# KiCad board shimarray.kicad_pcb (continued)
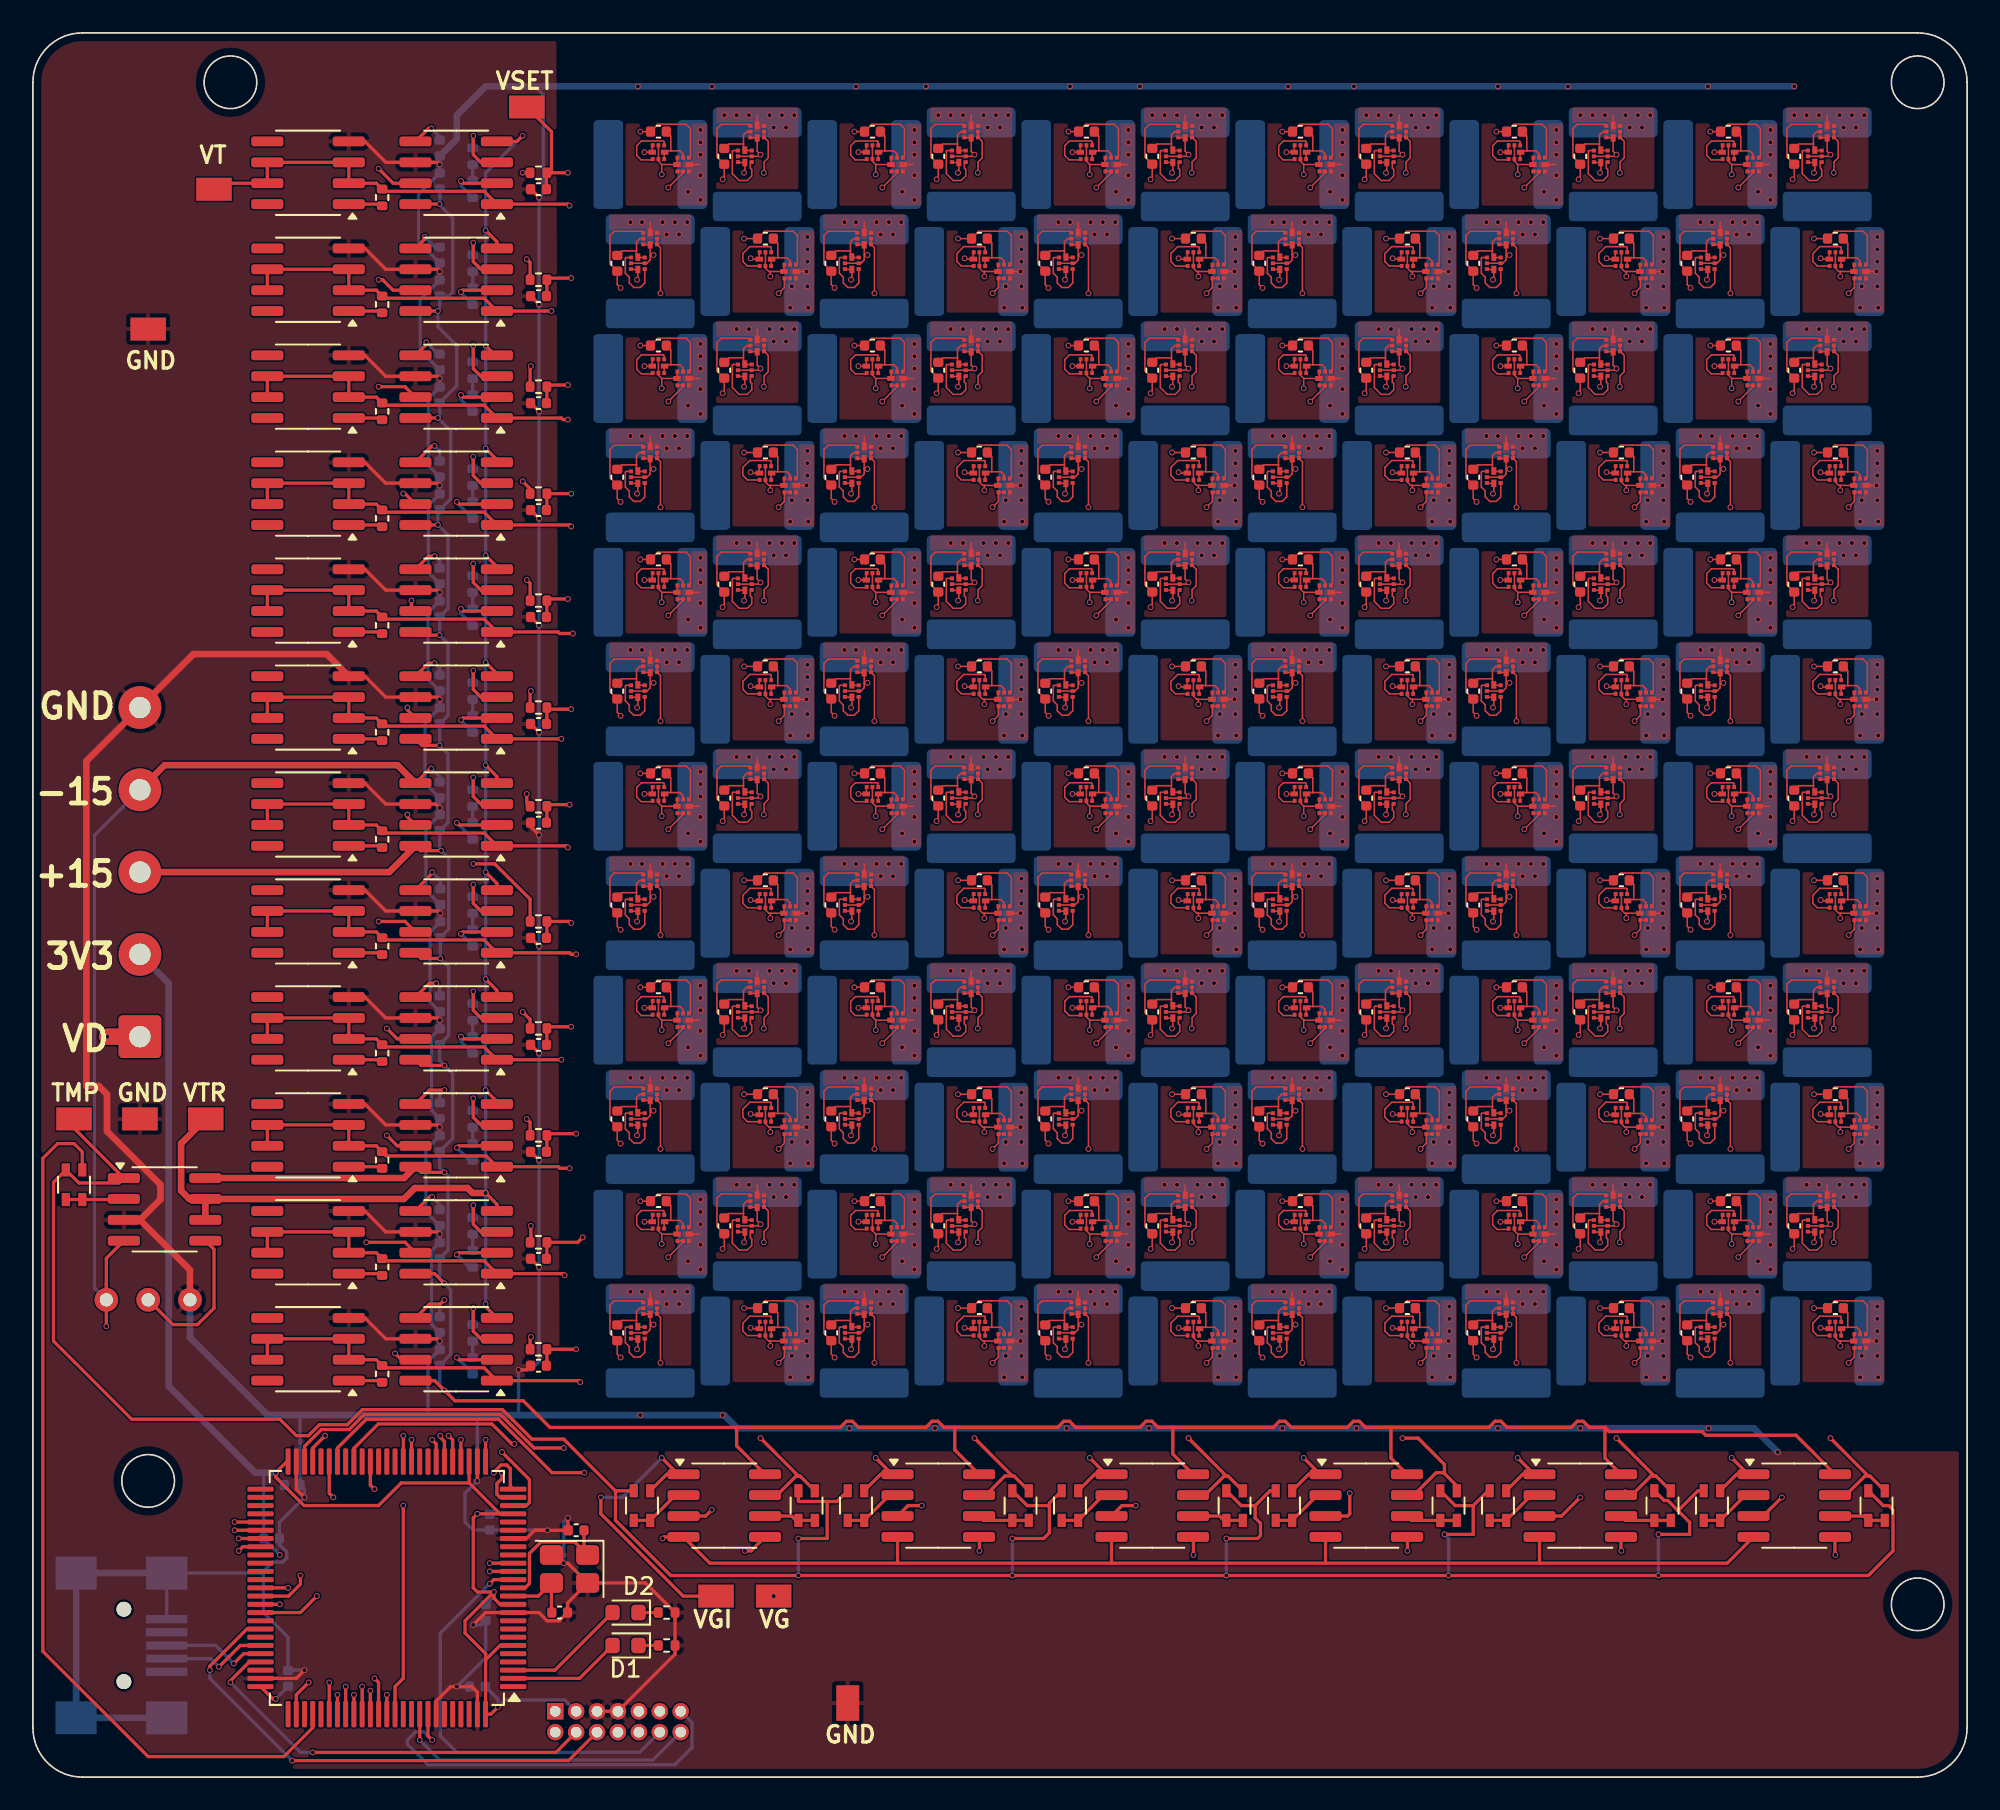
[diagram p0: board, top side]
## Routing (per net, layer and track width the routed paths; a pad name or vN(x,y) marks a point on that pad's centre or on a via; arc(x,y) is an arc through that point) (continued)
  Top w0.2: RN6.1 77.5,18.41 U5.1 78.19,18.41 v1(77.2,19.4)
  In2.Cu w0.09: v1(77.2,19.4) 77.2,24 76.4,24.8 76.4,27.2 v1(76.7,27.5) 76.7,31.8 77.2,32.3 v1(77.2,32.4) 77.2,37 76.4,37.8 76.4,40.2 v1(76.7,40.5) 76.7,44.8 77.2,45.3 v1(77.2,45.4) 77.2,50 76.4,50.8 76.4,53.2 v1(76.7,53.5) 76.7,57.8 77.2,58.3 v1(77.2,58.4) 77.2,63 76.4,63.8 76.4,66.2 v1(76.7,66.5) 76.7,70.8 77.2,71.3 v1(77.2,71.4) 77.2,76 76.4,76.8 76.4,79.2 v1(76.7,79.5) 76.7,83.8 77.2,84.3 v1(77.2,84.4) 77.2,89 76.4,89.8 76.4,92.2 v1(76.7,92.5) 76.7,96.8 77.2,97.3 v1(77.2,97.4)
/Element_4x15/Vg4_2: length 128.4
  Top w0.09: v1(83.8,65.2) 83.8,65.5 ; 83.8,65.5 Q124.8 ; 83.8,65.5 83.7,65.5 83.5,65.7 83.5,66.75 ; 83.8,52.5 83.7,52.5 83.5,52.7 83.5,53.75 ; 83.8,52.5 Q172.8 ; 83.8,52.5 v1(83.8,52.2) ; Q74.8 83,85.8 v1(83.2,85.6) 83.1,85.5 81.75,85.5 ; Q74.8 82.61,86.62 Q74.7 ; Q74.8 83,86.7 ; Q218.8 83,47.7 ; Q218.8 83,46.8 v1(83.2,46.6) 83.1,46.5 81.75,46.5 ; Q218.8 82.61,47.62 Q218.7 ; 83.8,91.5 Q26.8 ; 83.8,91.5 v1(83.8,91.2) ; 83.8,91.5 83.7,91.5 83.5,91.7 83.5,92.75 ; Q26.8 84.7,91.5 ; Q26.8 84.62,91.89 Q26.7 ; 83.8,39.5 Q220.8 ; 83.8,39.5 83.7,39.5 83.5,39.7 83.5,40.75 ; 83.8,39.5 v1(83.8,39.2) ; Q220.8 84.62,39.89 Q220.7 ; Q220.8 84.7,39.5 ; Q76.8 84.7,78.5 ; Q76.8 83.8,78.5 ; Q76.8 84.62,78.89 Q76.7 ; Q172.8 84.7,52.5 ; Q172.8 84.62,52.89 Q172.7 ; 83.8,78.5 83.7,78.5 83.5,78.7 83.5,79.75 ; 83.8,78.5 v1(83.8,78.2) ; Q122.7 82.61,73.62 Q122.8 ; Q122.8 83,72.8 v1(83.2,72.6) 83.1,72.5 81.75,72.5 ; Q122.8 83,73.7 ; Q124.8 84.62,65.89 Q124.7 ; Q124.8 84.7,65.5 ; Q170.7 82.61,60.62 Q170.8 ; Q266.7 82.61,34.62 Q266.8 ; Q266.8 83,33.8 v1(83.2,33.6) 83.1,33.5 81.75,33.5 ; Q266.8 83,34.7 ; Q24.8 83,98.8 v1(83.2,98.6) 83.1,98.5 81.75,98.5 ; Q24.8 83,99.7 ; Q24.8 82.61,99.62 Q24.7 ; Q170.8 83,59.8 v1(83.2,59.6) 83.1,59.5 81.75,59.5 ; Q170.8 83,60.7 ; Q268.8 84.7,26.5 ; Q268.8 83.8,26.5 ; Q268.8 84.62,26.89 Q268.7 ; 83.8,26.5 83.7,26.5 83.5,26.7 83.5,27.75 ; 83.8,26.5 v1(83.8,26.2)
  Top w0.2: U5.7 83.88,17.13 85.25,18.5 85.7,18.5 85.75,18.45 ; 85.75,18.45 85.75,19 84.15,20.6 v1(83.2,20.6) ; 85.75,18.45 86.5,17.7 RN7.1
  In2.Cu w0.09: v1(83.2,20.6) 83.2,25.6 v1(83.8,26.2) 83.8,27.1 82.7,28.2 82.7,33.1 v1(83.2,33.6) 83.2,38.6 v1(83.8,39.2) 83.8,40.1 82.7,41.2 82.7,46.1 v1(83.2,46.6) 83.2,51.6 v1(83.8,52.2) 83.8,53.1 82.7,54.2 82.7,59.1 v1(83.2,59.6) 83.2,64.6 v1(83.8,65.2) 83.8,66.1 82.7,67.2 82.7,72.1 v1(83.2,72.6) 83.2,77.6 v1(83.8,78.2) 83.8,79.1 82.7,80.2 82.7,85.1 v1(83.2,85.6) 83.2,90.6 v1(83.8,91.2) 83.8,92.1 82.7,93.2 82.7,98.1 v1(83.2,98.6)
/Element_4x16/Vg4_1: length 124.1
  Top w0.09: 88.25,79 89.3,79 89.5,79.2 89.5,79.5 ; 90.2,46 Q232.8 ; 90.2,46 v1(90.2,45.4) ; 90.2,46 90,46.2 90,47.25 ; Q232.8 91.2,46 ; Q232.8 91.12,46.39 Q232.7 ; Q182.8 89.5,54.2 ; Q182.8 89.11,54.12 Q182.7 ; Q182.8 89.5,53.5 ; Q38.8 91.12,98.39 Q38.7 ; Q38.8 91.2,98 ; Q38.8 90.2,98 ; 89.5,27.5 89.5,27.2 89.3,27 88.25,27 ; 89.5,27.5 v1(89.7,27.5) ; 89.5,27.5 Q278.8 ; Q280.8 91.12,33.39 Q280.7 ; Q280.8 90.2,33 ; Q280.8 91.2,33 ; Q86.8 89.5,80.2 ; Q86.8 89.5,79.5 ; Q86.8 89.11,80.12 Q86.7 ; 90.2,72 90,72.2 90,73.25 ; 90.2,72 v1(90.2,71.4) ; 90.2,72 Q136.8 ; Q134.7 89.11,67.12 Q134.8 ; 90,60.25 90,59.2 90.2,59 ; 89.5,79.5 v1(89.7,79.5) ; Q136.8 91.12,72.39 Q136.7 ; Q136.8 91.2,72 ; 90.2,85 90,85.2 90,86.25 ; 90.2,85 Q88.8 ; 90.2,85 v1(90.2,84.4) ; Q184.8 91.12,59.39 Q184.7 ; Q184.8 91.2,59 ; Q184.8 90.2,59 ; 89.5,66.5 Q134.8 ; 89.5,66.5 v1(89.7,66.5) ; 89.5,66.5 89.5,66.2 89.3,66 88.25,66 ; Q134.8 89.5,67.2 ; 90,34.25 90,33.2 90.2,33 ; 88.25,53 89.3,53 89.5,53.2 89.5,53.5 ; 90.2,59 v1(90.2,58.4) ; v1(89.7,40.5) 89.5,40.5 ; 89.5,40.5 89.5,40.2 89.3,40 88.25,40 ; 89.5,40.5 Q230.8 ; Q230.8 89.5,41.2 ; Q230.8 89.11,41.12 Q230.7 ; 90.2,33 v1(90.2,32.4) ; 89.5,53.5 v1(89.7,53.5) ; 89.5,92.5 Q36.8 ; 89.5,92.5 89.5,92.2 89.3,92 88.25,92 ; 89.5,92.5 v1(89.7,92.5) ; Q36.8 89.11,93.12 Q36.7 ; Q36.8 89.5,93.2 ; Q88.8 91.12,85.39 Q88.7 ; Q88.8 91.2,85 ; 90.2,98 90,98.2 90,99.25 ; 90.2,98 v1(90.2,97.4) ; Q278.8 89.5,28.2 ; Q278.8 89.11,28.12 Q278.7
  Top w0.2: v1(90.2,19.4) 91.19,18.41 U6.1 90.5,18.41 RN8.1
  In2.Cu w0.09: v1(90.2,97.4) 90.2,97.3 89.7,96.8 v1(89.7,92.5) 89.4,92.2 89.4,89.8 90.2,89 v1(90.2,84.4) 90.2,84.3 89.7,83.8 v1(89.7,79.5) 89.4,79.2 89.4,76.8 90.2,76 v1(90.2,71.4) 90.2,71.3 89.7,70.8 v1(89.7,66.5) 89.4,66.2 89.4,63.8 90.2,63 v1(90.2,58.4) 90.2,58.3 89.7,57.8 v1(89.7,53.5) 89.4,53.2 89.4,50.8 90.2,50 v1(90.2,45.4) 90.2,45.3 89.7,44.8 v1(89.7,40.5) 89.4,40.2 89.4,37.8 90.2,37 v1(90.2,32.4) 90.2,32.3 89.7,31.8 v1(89.7,27.5) 89.4,27.2 89.4,24.8 90.2,24 v1(90.2,19.4)
/Element_4x16/Vg4_2: length 128
  Top w0.09: Q132.7 97.62,65.89 Q132.8 ; v1(96.8,78.2) 96.8,78.5 ; 96.8,78.5 96.7,78.5 96.5,78.7 96.5,79.75 ; 96.8,78.5 Q84.8 ; Q82.8 96,85.8 v1(96.2,85.6) 96.1,85.5 94.75,85.5 ; Q82.8 95.61,86.62 Q82.7 ; Q82.8 96,86.7 ; 94.75,72.5 96.1,72.5 v1(96.2,72.6) 96,72.8 Q130.8 ; Q84.8 97.7,78.5 ; Q84.8 97.62,78.89 Q84.7 ; 96.8,52.5 Q180.8 ; 96.8,52.5 v1(96.8,52.2) ; 96.8,52.5 96.7,52.5 96.5,52.7 96.5,53.75 ; Q180.8 97.7,52.5 ; Q180.8 97.62,52.89 Q180.7 ; 96.8,39.5 96.7,39.5 96.5,39.7 96.5,40.75 ; 96.8,39.5 v1(96.8,39.2) ; 96.8,39.5 Q228.8 ; Q226.8 96,46.8 v1(96.2,46.6) 96.1,46.5 94.75,46.5 ; Q226.8 96,47.7 ; Q226.8 95.61,47.62 Q226.7 ; Q32.8 96,98.8 v1(96.2,98.6) 96.1,98.5 94.75,98.5 ; Q32.8 96,99.7 ; Q32.8 95.61,99.62 Q32.7 ; Q34.8 97.7,91.5 ; Q34.8 97.62,91.89 Q34.7 ; Q34.8 96.8,91.5 ; Q228.8 97.7,39.5 ; Q228.8 97.62,39.89 Q228.7 ; Q274.8 96,33.8 v1(96.2,33.6) 96.1,33.5 94.75,33.5 ; Q274.8 96,34.7 ; Q274.8 95.61,34.62 Q274.7 ; Q178.8 96,60.7 ; Q178.8 95.61,60.62 Q178.7 ; Q178.8 96,59.8 v1(96.2,59.6) 96.1,59.5 94.75,59.5 ; v1(96.8,91.2) 96.8,91.5 ; 96.8,91.5 96.7,91.5 96.5,91.7 96.5,92.75 ; 96.8,65.5 Q132.8 ; 96.8,65.5 v1(96.8,65.2) ; 96.8,65.5 96.7,65.5 96.5,65.7 96.5,66.75 ; Q132.8 97.7,65.5 ; Q276.8 97.62,26.89 Q276.7 ; Q276.8 97.7,26.5 ; Q276.8 96.8,26.5 ; Q130.8 95.61,73.62 Q130.7 ; Q130.8 96,73.7 ; 96.8,26.5 v1(96.8,26.2) ; 96.8,26.5 96.7,26.5 96.5,26.7 96.5,27.75
  Top w0.2: 98.5,18.3 98.3,18.3 97.13,17.13 U6.7 96.74,17.4 ; 98.5,18.3 98.6,18.3 RN9.1 ; 98.5,18.3 v1(96.2,20.6)
  In2.Cu w0.09: v1(96.2,98.6) 95.7,98.1 95.7,93.2 96.8,92.1 v1(96.8,91.2) 96.2,90.6 v1(96.2,85.6) 95.7,85.1 95.7,80.2 96.8,79.1 v1(96.8,78.2) 96.2,77.6 v1(96.2,72.6) 95.7,72.1 95.7,67.2 96.8,66.1 v1(96.8,65.2) 96.2,64.6 v1(96.2,59.6) 95.7,59.1 95.7,54.2 96.8,53.1 v1(96.8,52.2) 96.2,51.6 v1(96.2,46.6) 95.7,46.1 95.7,41.2 96.8,40.1 v1(96.8,39.2) 96.2,38.6 v1(96.2,33.6) 95.7,33.1 95.7,28.2 96.8,27.1 v1(96.8,26.2) 96.2,25.6 v1(96.2,20.6)
/Element_4x17/Vg4_1: length 124.1
  Top w0.09: v1(102.7,92.5) 102.5,92.5 ; 102.5,92.5 102.5,92.2 102.3,92 101.25,92 ; 102.5,92.5 Q46.8 ; 102.5,66.5 102.5,66.2 102.3,66 101.25,66 ; 102.5,66.5 Q142.8 ; 102.5,66.5 v1(102.7,66.5) ; 102.5,79.5 102.5,79.2 102.3,79 101.25,79 ; 102.5,79.5 v1(102.7,79.5) ; 102.5,79.5 Q94.8 ; Q192.8 104.2,59 ; Q192.8 103.2,59 ; Q192.8 104.12,59.39 Q192.7 ; 103.2,46 Q240.8 ; 103.2,46 103,46.2 103,47.25 ; 103.2,46 v1(103.2,45.4) ; Q240.8 104.2,46 ; Q240.8 104.12,46.39 Q240.7 ; 102.5,53.5 Q190.8 ; 102.5,53.5 102.5,53.2 102.3,53 101.25,53 ; 102.5,53.5 v1(102.7,53.5) ; Q190.8 102.11,54.12 Q190.7 ; Q190.8 102.5,54.2 ; 103.2,72 103,72.2 103,73.25 ; 103.2,72 Q144.8 ; 103.2,72 v1(103.2,71.4) ; Q94.8 102.5,80.2 ; Q94.8 102.11,80.12 Q94.7 ; Q142.8 102.11,67.12 Q142.7 ; Q142.8 102.5,67.2 ; Q48.8 104.2,98 ; Q48.8 103.2,98 ; Q48.8 104.12,98.39 Q48.7 ; Q288.7 104.12,33.39 Q288.8 ; Q46.8 102.11,93.12 Q46.7 ; Q46.8 102.5,93.2 ; 102.5,40.5 Q238.8 ; 102.5,40.5 102.5,40.2 102.3,40 101.25,40 ; 102.5,40.5 v1(102.7,40.5) ; Q238.8 102.11,41.12 Q238.7 ; Q238.8 102.5,41.2 ; Q144.8 104.2,72 ; Q144.8 104.12,72.39 Q144.7 ; 102.5,27.5 Q286.8 ; 102.5,27.5 v1(102.7,27.5) ; 102.5,27.5 102.5,27.2 102.3,27 101.25,27 ; Q286.8 102.5,28.2 ; Q286.8 102.11,28.12 Q286.7 ; Q96.7 104.12,85.39 Q96.8 ; 103.2,59 v1(103.2,58.4) ; 103.2,59 103,59.2 103,60.25 ; Q288.8 104.2,33 ; Q288.8 103.2,33 ; 103.2,33 103,33.2 103,34.25 ; 103.2,33 v1(103.2,32.4) ; 103.2,98 103,98.2 103,99.25 ; 103.2,98 v1(103.2,97.4) ; Q96.8 104.2,85 ; Q96.8 103.2,85 ; 103,86.25 103,85.2 103.2,85 ; 103.2,85 v1(103.2,84.4)
  Top w0.2: RN10.1 103.5,18.41 U7.1 104.19,18.41 v1(103.2,19.4)
  In2.Cu w0.09: v1(103.2,97.4) 103.2,97.3 102.7,96.8 v1(102.7,92.5) 102.4,92.2 102.4,89.8 103.2,89 v1(103.2,84.4) 103.2,84.3 102.7,83.8 v1(102.7,79.5) 102.4,79.2 102.4,76.8 103.2,76 v1(103.2,71.4) 103.2,71.3 102.7,70.8 v1(102.7,66.5) 102.4,66.2 102.4,63.8 103.2,63 v1(103.2,58.4) 103.2,58.3 102.7,57.8 v1(102.7,53.5) 102.4,53.2 102.4,50.8 103.2,50 v1(103.2,45.4) 103.2,45.3 102.7,44.8 v1(102.7,40.5) 102.4,40.2 102.4,37.8 103.2,37 v1(103.2,32.4) 103.2,32.3 102.7,31.8 v1(102.7,27.5) 102.4,27.2 102.4,24.8 103.2,24 v1(103.2,19.4)
/Element_4x17/Vg4_2: length 127.6
  Top w0.09: Q282.8 108.61,34.62 Q282.7 ; Q282.8 109,34.7 ; Q282.8 109,33.8 v1(109.2,33.6) 109.1,33.5 107.75,33.5 ; Q188.8 110.7,52.5 ; Q188.8 110.62,52.89 Q188.7 ; Q188.8 109.8,52.5 ; 109.5,79.75 109.5,78.7 109.7,78.5 109.8,78.5 ; Q284.8 110.7,26.5 ; Q284.8 109.8,26.5 ; Q284.8 110.62,26.89 Q284.7 ; 109.8,78.5 Q92.8 ; 109.8,78.5 v1(109.8,78.2) ; Q92.8 110.62,78.89 Q92.7 ; Q92.8 110.7,78.5 ; Q44.8 110.62,91.89 Q44.7 ; Q44.8 109.8,91.5 ; Q44.8 110.7,91.5 ; 109.5,92.75 109.5,91.7 109.7,91.5 109.8,91.5 ; Q90.8 108.61,86.62 Q90.7 ; Q90.8 109,85.8 v1(109.2,85.6) 109.1,85.5 107.75,85.5 ; Q90.8 109,86.7 ; Q140.7 110.62,65.89 Q140.8 ; Q234.8 108.61,47.62 Q234.7 ; Q234.8 109,47.7 ; Q234.8 109,46.8 v1(109.2,46.6) 109.1,46.5 107.75,46.5 ; 109.8,26.5 109.7,26.5 109.5,26.7 109.5,27.75 ; 109.8,26.5 v1(109.8,26.2) ; v1(109.8,39.2) 109.8,39.5 ; 109.8,39.5 109.7,39.5 109.5,39.7 109.5,40.75 ; 109.8,39.5 Q236.8 ; Q236.8 110.7,39.5 ; Q236.8 110.62,39.89 Q236.7 ; 109.8,91.5 v1(109.8,91.2) ; 107.75,98.5 109.1,98.5 v1(109.2,98.6) 109,98.8 Q42.8 ; 109.5,53.75 109.5,52.7 109.7,52.5 109.8,52.5 ; Q140.8 110.7,65.5 ; Q140.8 109.8,65.5 ; Q42.8 109,99.7 ; Q42.8 108.61,99.62 Q42.7 ; Q138.7 108.61,73.62 Q138.8 ; Q138.8 109,73.7 ; Q138.8 109,72.8 v1(109.2,72.6) 109.1,72.5 107.75,72.5 ; 109.8,65.5 109.7,65.5 109.5,65.7 109.5,66.75 ; 109.8,65.5 v1(109.8,65.2) ; 109.8,52.5 v1(109.8,52.2) ; Q186.7 108.61,60.62 Q186.8 ; Q186.8 109,60.7 ; Q186.8 109,59.8 v1(109.2,59.6) 109.1,59.5 107.75,59.5
  Top w0.2: 111.5,18.3 v1(109.2,20.6) ; 111.5,18.3 111.6,18.3 RN11.1 ; 111.5,18.3 111.3,18.3 110.13,17.13 U7.7
  In2.Cu w0.09: v1(109.2,20.6) 109.2,25.6 v1(109.8,26.2) 109.8,27.1 108.7,28.2 108.7,33.1 v1(109.2,33.6) 109.2,38.6 v1(109.8,39.2) 109.8,40.1 108.7,41.2 108.7,46.1 v1(109.2,46.6) 109.2,51.6 v1(109.8,52.2) 109.8,53.1 108.7,54.2 108.7,59.1 v1(109.2,59.6) 109.2,64.6 v1(109.8,65.2) 109.8,66.1 108.7,67.2 108.7,72.1 v1(109.2,72.6) 109.2,77.6 v1(109.8,78.2) 109.8,79.1 108.7,80.2 108.7,85.1 v1(109.2,85.6) 109.2,90.6 v1(109.8,91.2) 109.8,92.1 108.7,93.2 108.7,98.1 v1(109.2,98.6)
/Element_4x20/Vd4_1: length 96.5
  Top w0.09: Q57.6 56.25,84.55 v1(56.2,84.5) ; 94.75,85.15 94.78,85.12 95.17,85.12 ; 37.62,85.83 37.62,86.22 37.65,86.25 ; 50.1,85.8 v1(50.15,85.75) Q63.6 ; Q73.6 82.25,84.55 v1(82.2,84.5) ; Q71.6 v1(63.15,85.75) 63.1,85.8 ; 43.17,85.12 42.78,85.12 42.75,85.15 ; v1(108.2,84.5) 108.25,84.55 Q89.6 ; 69.17,85.12 68.78,85.12 68.75,85.15 ; 107.75,85.15 107.78,85.12 108.17,85.12 ; Q49.6 43.25,84.55 v1(43.2,84.5) ; 50.62,85.83 50.62,86.22 50.65,86.25 ; 76.65,86.25 76.62,86.22 76.62,85.83 ; 63.62,85.83 63.62,86.22 63.65,86.25 ; Q65.6 69.25,84.55 v1(69.2,84.5) ; 76.1,85.8 v1(76.15,85.75) Q79.6 ; 81.75,85.15 81.78,85.12 82.17,85.12 ; 55.75,85.15 55.78,85.12 56.17,85.12 ; 89.1,85.8 v1(89.15,85.75) Q87.6 ; Q81.6 95.25,84.55 v1(95.2,84.5) ; Q95.6 v1(102.15,85.75) 102.1,85.8 ; Q55.6 v1(37.15,85.75) 37.1,85.8 ; 102.62,85.83 102.62,86.22 102.65,86.25 ; 89.62,85.83 89.62,86.22 89.65,86.25
  Top w0.2: C11.1 31.22,83.53 R6.2 31.32,84.6 v1(32.5,84.6)
  In1.Cu w0.09: v1(108.2,84.5) 107.6,85.1 102.8,85.1 v1(102.15,85.75) 97.35,85.75 96.7,85.1 95.8,85.1 v1(95.2,84.5) 94.6,85.1 89.8,85.1 v1(89.15,85.75) 84.35,85.75 83.7,85.1 82.8,85.1 v1(82.2,84.5) 81.6,85.1 76.8,85.1 v1(76.15,85.75) 71.35,85.75 70.7,85.1 69.8,85.1 v1(69.2,84.5) 68.6,85.1 63.8,85.1 v1(63.15,85.75) 58.35,85.75 57.7,85.1 56.8,85.1 v1(56.2,84.5) 55.6,85.1 50.8,85.1 v1(50.15,85.75) 45.35,85.75 44.7,85.1 43.8,85.1 v1(43.2,84.5) 42.6,85.1 37.8,85.1 v1(37.15,85.75)
  In1.Cu w0.2: v1(37.15,85.75) 33.65,85.75 v1(32.5,84.6)
/Element_4x20/Vd4_2: length 96.6
  Top w0.09: 62.25,78.65 62.28,78.62 62.67,78.62 ; 75.67,78.62 75.28,78.62 75.25,78.65 ; v1(69.6,79.3) 69.65,79.25 Q67.6 ; v1(108.6,79.3) 108.65,79.25 Q91.6 ; 101.67,78.62 101.28,78.62 101.25,78.65 ; 96.12,79.33 96.12,79.72 96.15,79.75 ; v1(95.6,79.3) 95.65,79.25 Q83.6 ; Q53.6 36.75,78.05 v1(36.7,78) ; 44.12,79.33 44.12,79.72 44.15,79.75 ; 109.15,79.75 109.12,79.72 109.12,79.33 ; 57.12,79.33 57.12,79.72 57.15,79.75 ; 83.12,79.33 83.12,79.72 83.15,79.75 ; 49.25,78.65 49.28,78.62 49.67,78.62 ; v1(88.7,78) 88.75,78.05 Q85.6 ; v1(49.7,78) 49.75,78.05 Q61.6 ; v1(75.7,78) 75.75,78.05 Q77.6 ; 36.25,78.65 36.28,78.62 36.67,78.62 ; Q51.6 43.65,79.25 v1(43.6,79.3) ; Q93.6 101.75,78.05 v1(101.7,78) ; Q59.6 56.65,79.25 v1(56.6,79.3) ; 70.12,79.33 70.12,79.72 70.15,79.75 ; 88.67,78.62 88.28,78.62 88.25,78.65 ; Q69.6 62.75,78.05 v1(62.7,78) ; v1(82.6,79.3) 82.65,79.25 Q75.6
  Top w0.2: C12.1 31.22,77.03 R5.2 v1(32.7,78)
  In1.Cu w0.09: v1(108.6,79.3) 103.36,79.3 102.89,78.83 102.53,78.83 v1(101.7,78) 97.8,78 96.5,79.3 v1(95.6,79.3) 90.36,79.3 89.89,78.83 89.53,78.83 v1(88.7,78) 84.8,78 83.5,79.3 v1(82.6,79.3) 77.36,79.3 76.89,78.83 76.53,78.83 v1(75.7,78) 71.8,78 70.5,79.3 v1(69.6,79.3) 64.36,79.3 63.89,78.83 63.53,78.83 v1(62.7,78) 58.8,78 57.5,79.3 v1(56.6,79.3) 51.36,79.3 50.89,78.83 50.53,78.83 v1(49.7,78) 45.8,78 44.5,79.3 v1(43.6,79.3) 38.36,79.3 37.89,78.83 37.53,78.83 v1(36.7,78)
  In1.Cu w0.2: v1(36.7,78) v1(32.7,78)
/Element_4x20/Vt4_1: length 130.7
  Top w0.09: Q96.1 Q96.2 104.5,84.5 v1(103.6,83.6) ; v1(77.6,83.6) 78.5,84.5 Q80.2 Q80.1 ; Q64.1 Q64.2 52.5,84.5 v1(51.6,83.6) ; v1(90.6,83.6) 91.5,84.5 Q88.2 Q88.1 ; v1(70.4,84.5) 70.42,84.52 70.42,85.15 70.67,85.41 70.67,86.41 70.43,86.65 Q66.1 Q66.2 ; v1(83.4,84.5) 83.42,84.52 83.42,85.15 83.67,85.41 83.67,86.41 83.43,86.65 Q74.1 Q74.2 ; v1(109.4,84.5) 109.42,84.52 109.42,85.15 109.67,85.41 109.67,86.41 109.43,86.65 Q90.1 Q90.2 ; v1(38.6,83.6) 39.5,84.5 Q56.2 Q56.1 ; Q58.2 Q58.1 57.43,86.65 57.67,86.41 57.67,85.41 57.42,85.15 57.42,84.52 v1(57.4,84.5) ; Q50.2 Q50.1 44.43,86.65 44.67,86.41 44.67,85.41 44.42,85.15 44.42,84.52 v1(44.4,84.5) ; v1(64.6,83.6) 65.5,84.5 Q72.2 Q72.1 ; Q82.2 Q82.1 96.43,86.65 96.67,86.41 96.67,85.41 96.42,85.15 96.42,84.52 v1(96.4,84.5)
  Top w0.2: U8.7 U8.6 U8.3 U8.2 20.86,83.86 R17.2 21.35,83.37 27.41,83.37 U9.1 32.1,82.59 32.2,82.5 v1(32.5,82.5)
  In1.Cu w0.09: v1(38.6,83.6) 38.9,83.9 41.44,83.9 41.71,83.63 42.09,83.63 42.36,83.9 43.8,83.9 v1(44.4,84.5) 45.3,83.6 v1(51.6,83.6) 51.9,83.9 54.44,83.9 54.71,83.63 55.09,83.63 55.36,83.9 56.8,83.9 v1(57.4,84.5) 58.3,83.6 v1(64.6,83.6) 64.9,83.9 67.44,83.9 67.71,83.63 68.09,83.63 68.36,83.9 69.8,83.9 v1(70.4,84.5) 71.3,83.6 v1(77.6,83.6) 77.9,83.9 80.44,83.9 80.71,83.63 81.09,83.63 81.36,83.9 82.8,83.9 v1(83.4,84.5) 84.3,83.6 v1(90.6,83.6) 90.9,83.9 93.44,83.9 93.71,83.63 94.09,83.63 94.36,83.9 95.8,83.9 v1(96.4,84.5) 97.3,83.6 v1(103.6,83.6) 103.9,83.9 106.44,83.9 106.71,83.63 107.09,83.63 107.36,83.9 108.8,83.9 v1(109.4,84.5)
  In1.Cu w0.2: v1(32.5,82.5) 37.5,82.5 v1(38.6,83.6)
/Element_4x20/Vt4_2: length 128.5
  Top w0.09: Q94.2 Q94.1 103.12,79.94 v1(103.12,77.18) ; v1(77.12,77.18) 77.12,79.94 Q78.1 Q78.2 ; Q86.2 Q86.1 90.12,79.94 v1(90.12,77.18) ; Q52.2 Q52.1 45.65,77.53 v1(45.3,77.18) ; v1(97.3,77.18) 97.65,77.53 Q84.1 Q84.2 ; Q92.2 Q92.1 110.65,77.53 v1(110.3,77.18) ; v1(38.12,77.18) 38.12,79.94 Q54.1 Q54.2 ; Q60.2 Q60.1 58.65,77.53 v1(58.3,77.18) ; v1(51.12,77.18) 51.12,79.94 Q62.1 Q62.2 ; v1(84.3,77.18) 84.65,77.53 Q76.1 Q76.2 ; v1(64.12,77.18) 64.12,79.94 Q70.1 Q70.2 ; Q68.2 Q68.1 71.65,77.53 v1(71.3,77.18)
  Top w0.2: v1(32.7,76) 32.6,76.09 U11.1 27.41,76.87 21.35,76.87 R20.2 20.86,77.37 U10.2 U10.3 U10.6 U10.7
  In1.Cu w0.09: v1(38.12,77.18) v1(45.3,77.18) v1(51.12,77.18) v1(58.3,77.18) v1(64.12,77.18) v1(71.3,77.18) v1(77.12,77.18) v1(84.3,77.18) v1(90.12,77.18) v1(97.3,77.18) v1(103.12,77.18) v1(110.3,77.18)
  In1.Cu w0.2: v1(32.7,76) 36.95,76 v1(38.12,77.18)
/Element_4x28/Vd4_1: length 96.3
  Top w0.09: Q169.6 82.25,58.55 v1(82.2,58.5) ; 63.62,59.83 63.62,60.22 63.65,60.25 ; 50.1,59.8 v1(50.15,59.75) Q159.6 ; v1(69.2,58.5) 69.25,58.55 Q161.6 ; 102.1,59.8 v1(102.15,59.75) Q191.6 ; 56.17,59.12 55.78,59.12 55.75,59.15 ; 89.62,59.83 89.62,60.22 89.65,60.25 ; 37.62,59.83 37.62,60.22 37.65,60.25 ; 94.75,59.15 94.78,59.12 95.17,59.12 ; 81.75,59.15 81.78,59.12 82.17,59.12 ; 76.62,59.83 76.62,60.22 76.65,60.25 ; 50.65,60.25 50.62,60.22 50.62,59.83 ; 89.1,59.8 v1(89.15,59.75) Q183.6 ; 108.17,59.12 107.78,59.12 107.75,59.15 ; Q177.6 95.25,58.55 v1(95.2,58.5) ; 42.75,59.15 42.78,59.12 43.17,59.12 ; Q145.6 43.25,58.55 v1(43.2,58.5) ; Q175.6 v1(76.15,59.75) 76.1,59.8 ; v1(56.2,58.5) 56.25,58.55 Q153.6 ; Q185.6 108.25,58.55 v1(108.2,58.5) ; 69.17,59.12 68.78,59.12 68.75,59.15 ; 63.1,59.8 v1(63.15,59.75) Q167.6 ; 102.62,59.83 102.62,60.22 102.65,60.25 ; Q151.6 v1(37.15,59.75) 37.1,59.8
  Top w0.2: v1(32.6,59.1) 31.32,59.1 R10.2 31.22,58.03 C15.1
  In1.Cu w0.09: v1(37.15,59.75) 37.8,59.1 42.6,59.1 v1(43.2,58.5) 43.8,59.1 44.7,59.1 45.35,59.75 v1(50.15,59.75) 50.8,59.1 55.6,59.1 v1(56.2,58.5) 56.8,59.1 57.7,59.1 58.35,59.75 v1(63.15,59.75) 63.8,59.1 68.6,59.1 v1(69.2,58.5) 69.8,59.1 70.7,59.1 71.35,59.75 v1(76.15,59.75) 76.8,59.1 81.6,59.1 v1(82.2,58.5) 82.8,59.1 83.7,59.1 84.35,59.75 v1(89.15,59.75) 89.8,59.1 94.6,59.1 v1(95.2,58.5) 95.8,59.1 96.7,59.1 97.35,59.75 v1(102.15,59.75) 102.8,59.1 107.6,59.1 v1(108.2,58.5)
  In1.Cu w0.2: v1(32.6,59.1) 33.25,59.75 v1(37.15,59.75)
/Element_4x28/Vd4_2: length 96.7
  Top w0.09: v1(75.7,52) 75.75,52.05 Q173.6 ; v1(82.6,53.3) 82.65,53.25 Q171.6 ; Q155.6 56.65,53.25 v1(56.6,53.3) ; 83.12,53.33 83.12,53.72 83.15,53.75 ; v1(43.6,53.3) 43.65,53.25 Q147.6 ; Q187.6 108.65,53.25 v1(108.6,53.3) ; 70.15,53.75 70.12,53.72 70.12,53.33 ; 101.25,52.65 101.28,52.62 101.67,52.62 ; 88.25,52.65 88.28,52.62 88.67,52.62 ; Q157.6 49.75,52.05 v1(49.7,52) ; Q163.6 69.65,53.25 v1(69.6,53.3) ; v1(88.7,52) 88.75,52.05 Q181.6 ; 96.15,53.75 96.12,53.72 96.12,53.33 ; 36.67,52.62 36.28,52.62 36.25,52.65 ; v1(101.7,52) 101.75,52.05 Q189.6 ; Q165.6 62.75,52.05 v1(62.7,52) ; 62.25,52.65 62.28,52.62 62.67,52.62 ; Q149.6 36.75,52.05 v1(36.7,52) ; 109.15,53.75 109.12,53.72 109.12,53.33 ; 49.25,52.65 49.28,52.62 49.67,52.62 ; 75.67,52.62 75.28,52.62 75.25,52.65 ; 44.15,53.75 44.12,53.72 44.12,53.33 ; v1(95.6,53.3) 95.65,53.25 Q179.6 ; 57.12,53.33 57.12,53.72 57.15,53.75
  Top w0.2: v1(32.7,51.9) 32.6,52 R9.2 31.22,51.03 C16.1
  In1.Cu w0.09: v1(36.7,52) 37.53,52.83 37.89,52.83 38.36,53.3 v1(43.6,53.3) 44.5,53.3 45.8,52 v1(49.7,52) 50.53,52.83 50.89,52.83 51.36,53.3 v1(56.6,53.3) 57.5,53.3 58.8,52 v1(62.7,52) 63.53,52.83 63.89,52.83 64.36,53.3 v1(69.6,53.3) 70.5,53.3 71.8,52 v1(75.7,52) 76.53,52.83 76.89,52.83 77.36,53.3 v1(82.6,53.3) 83.5,53.3 84.8,52 v1(88.7,52) 89.53,52.83 89.89,52.83 90.36,53.3 v1(95.6,53.3) 96.5,53.3 97.8,52 v1(101.7,52) 102.53,52.83 102.89,52.83 103.36,53.3 v1(108.6,53.3)
  In1.Cu w0.2: v1(36.7,52) 32.8,52 v1(32.7,51.9)
/Element_4x28/Vt4_1: length 130.7
  Top w0.09: v1(96.4,58.5) 96.42,58.52 96.42,59.15 96.67,59.41 96.67,60.41 96.43,60.65 Q178.1 Q178.2 ; Q192.1 Q192.2 104.5,58.5 v1(103.6,57.6) ; Q154.2 Q154.1 57.43,60.65 57.67,60.41 57.67,59.41 57.42,59.15 57.42,58.52 v1(57.4,58.5) ; Q160.1 Q160.2 52.5,58.5 v1(51.6,57.6) ; v1(70.4,58.5) 70.42,58.52 70.42,59.15 70.67,59.41 70.67,60.41 70.43,60.65 Q162.1 Q162.2 ; v1(44.4,58.5) 44.42,58.52 44.42,59.15 44.67,59.41 44.67,60.41 44.43,60.65 Q146.1 Q146.2 ; v1(64.6,57.6) 65.5,58.5 Q168.2 Q168.1 ; Q170.2 Q170.1 83.43,60.65 83.67,60.41 83.67,59.41 83.42,59.15 83.42,58.52 v1(83.4,58.5) ; Q186.2 Q186.1 109.43,60.65 109.67,60.41 109.67,59.41 109.42,59.15 109.42,58.52 v1(109.4,58.5) ; v1(77.6,57.6) 78.5,58.5 Q176.2 Q176.1 ; v1(38.6,57.6) 39.5,58.5 Q152.2 Q152.1 ; Q184.1 Q184.2 91.5,58.5 v1(90.6,57.6)
  Top w0.2: U16.7 U16.6 U16.3 U16.2 20.86,57.87 R29.2 21.35,57.37 27.41,57.37 U17.1 32.41,56.59 v1(32.5,56.5)
  In1.Cu w0.09: v1(38.6,57.6) 38.9,57.9 41.44,57.9 41.71,57.63 42.09,57.63 42.36,57.9 43.8,57.9 v1(44.4,58.5) 45.3,57.6 v1(51.6,57.6) 51.9,57.9 54.44,57.9 54.71,57.63 55.09,57.63 55.36,57.9 56.8,57.9 v1(57.4,58.5) 58.3,57.6 v1(64.6,57.6) 64.9,57.9 67.44,57.9 67.71,57.63 68.09,57.63 68.36,57.9 69.8,57.9 v1(70.4,58.5) 71.3,57.6 v1(77.6,57.6) 77.9,57.9 80.44,57.9 80.71,57.63 81.09,57.63 81.36,57.9 82.8,57.9 v1(83.4,58.5) 84.3,57.6 v1(90.6,57.6) 90.9,57.9 93.44,57.9 93.71,57.63 94.09,57.63 94.36,57.9 95.8,57.9 v1(96.4,58.5) 97.3,57.6 v1(103.6,57.6) 103.9,57.9 106.44,57.9 106.71,57.63 107.09,57.63 107.36,57.9 108.8,57.9 v1(109.4,58.5)
  In1.Cu w0.2: v1(32.5,56.5) 37.5,56.5 v1(38.6,57.6)
/Element_4x28/Vt4_2: length 128.5
  Top w0.09: Q190.2 Q190.1 103.12,53.94 v1(103.12,51.18) ; v1(90.12,51.18) 90.12,53.94 Q182.1 Q182.2 ; v1(84.3,51.18) 84.65,51.53 Q172.1 Q172.2 ; Q156.2 Q156.1 58.65,51.53 v1(58.3,51.18) ; v1(51.12,51.18) 51.12,53.94 Q158.1 Q158.2 ; Q174.2 Q174.1 77.12,53.94 v1(77.12,51.18) ; v1(97.3,51.18) 97.65,51.53 Q180.1 Q180.2 ; Q148.2 Q148.1 45.65,51.53 v1(45.3,51.18) ; Q164.2 Q164.1 71.65,51.53 v1(71.3,51.18) ; v1(64.12,51.18) 64.12,53.94 Q166.1 Q166.2 ; v1(38.12,51.18) 38.12,53.94 Q150.1 Q150.2 ; v1(110.3,51.18) 110.65,51.53 Q188.1 Q188.2
  Top w0.2: v1(33,50) 32.7,50 32.6,50.09 U19.1 27.41,50.87 21.35,50.87 R32.2 20.86,51.37 U18.2 U18.3 U18.6 U18.7
  In1.Cu w0.09: v1(110.3,51.18) v1(103.12,51.18) v1(97.3,51.18) v1(90.12,51.18) v1(84.3,51.18) v1(77.12,51.18) v1(71.3,51.18) v1(64.12,51.18) v1(58.3,51.18) v1(51.12,51.18) v1(45.3,51.18) v1(38.12,51.18)
  In1.Cu w0.2: v1(38.12,51.18) 38.07,51.18 36.9,50 v1(33,50)
/Element_4x36/Vd4_1: length 96.5
  Top w0.09: 81.75,46.15 81.78,46.12 82.17,46.12 ; 37.62,46.83 37.62,47.22 37.65,47.25 ; Q215.6 v1(63.15,46.75) 63.1,46.8 ; v1(69.2,45.5) 69.25,45.55 Q209.6 ; Q217.6 82.25,45.55 v1(82.2,45.5) ; Q239.6 v1(102.15,46.75) 102.1,46.8 ; Q225.6 95.25,45.55 v1(95.2,45.5) ; 55.75,46.15 55.78,46.12 56.17,46.12 ; 102.65,47.25 102.62,47.22 102.62,46.83 ; v1(56.2,45.5) 56.25,45.55 Q201.6 ; 42.75,46.15 42.78,46.12 43.17,46.12 ; v1(108.2,45.5) 108.25,45.55 Q233.6 ; 63.65,47.25 63.62,47.22 63.62,46.83 ; 89.62,46.83 89.62,47.22 89.65,47.25 ; 76.1,46.8 v1(76.15,46.75) Q223.6 ; Q231.6 v1(89.15,46.75) 89.1,46.8 ; Q207.6 v1(50.15,46.75) 50.1,46.8 ; Q199.6 v1(37.15,46.75) 37.1,46.8 ; 68.75,46.15 68.78,46.12 69.17,46.12 ; 107.75,46.15 107.78,46.12 108.17,46.12 ; 50.65,47.25 50.62,47.22 50.62,46.83 ; Q193.6 43.25,45.55 v1(43.2,45.5) ; 76.65,47.25 76.62,47.22 76.62,46.83 ; 94.75,46.15 94.78,46.12 95.17,46.12
  Top w0.2: C17.1 31.22,44.53 R12.2 31.32,45.6 v1(32.7,45.6)
  In1.Cu w0.09: v1(108.2,45.5) 107.6,46.1 102.8,46.1 v1(102.15,46.75) 97.35,46.75 96.7,46.1 95.8,46.1 v1(95.2,45.5) 94.6,46.1 89.8,46.1 v1(89.15,46.75) 84.35,46.75 83.7,46.1 82.8,46.1 v1(82.2,45.5) 81.6,46.1 76.8,46.1 v1(76.15,46.75) 71.35,46.75 70.7,46.1 69.8,46.1 v1(69.2,45.5) 68.6,46.1 63.8,46.1 v1(63.15,46.75) 58.35,46.75 57.7,46.1 56.8,46.1 v1(56.2,45.5) 55.6,46.1 50.8,46.1 v1(50.15,46.75) 45.35,46.75 44.7,46.1 43.8,46.1 v1(43.2,45.5) 42.6,46.1 37.8,46.1 v1(37.15,46.75)
  In1.Cu w0.2: v1(37.15,46.75) 33.85,46.75 v1(32.7,45.6)
/Element_4x36/Vd4_2: length 96.7
  Top w0.09: Q211.6 69.65,40.25 v1(69.6,40.3) ; v1(43.6,40.3) 43.65,40.25 Q195.6 ; 62.67,39.62 62.28,39.62 62.25,39.65 ; v1(101.7,39) 101.75,39.05 Q237.6 ; 101.67,39.62 101.28,39.62 101.25,39.65 ; v1(95.6,40.3) 95.65,40.25 Q227.6 ; 83.15,40.75 83.12,40.72 83.12,40.33 ; Q213.6 62.75,39.05 v1(62.7,39) ; 109.15,40.75 109.12,40.72 109.12,40.33 ; v1(82.6,40.3) 82.65,40.25 Q219.6 ; 88.25,39.65 88.28,39.62 88.67,39.62 ; 57.12,40.33 57.12,40.72 57.15,40.75 ; 49.67,39.62 49.28,39.62 49.25,39.65 ; 36.67,39.62 36.28,39.62 36.25,39.65 ; Q197.6 36.75,39.05 v1(36.7,39) ; 96.15,40.75 96.12,40.72 96.12,40.33 ; Q205.6 49.75,39.05 v1(49.7,39) ; 75.67,39.62 75.28,39.62 75.25,39.65 ; 44.15,40.75 44.12,40.72 44.12,40.33 ; Q203.6 56.65,40.25 v1(56.6,40.3) ; Q235.6 108.65,40.25 v1(108.6,40.3) ; v1(75.7,39) 75.75,39.05 Q221.6 ; 70.12,40.33 70.12,40.72 70.15,40.75 ; Q229.6 88.75,39.05 v1(88.7,39)
  Top w0.2: v1(33,39.1) 31.32,39.1 R11.2 31.22,38.03 C18.1
  In1.Cu w0.09: v1(108.6,40.3) 103.36,40.3 102.89,39.83 102.53,39.83 v1(101.7,39) 97.8,39 96.5,40.3 v1(95.6,40.3) 90.36,40.3 89.89,39.83 89.53,39.83 v1(88.7,39) 84.8,39 83.5,40.3 v1(82.6,40.3) 77.36,40.3 76.89,39.83 76.53,39.83 v1(75.7,39) 71.8,39 70.5,40.3 v1(69.6,40.3) 64.36,40.3 63.89,39.83 63.53,39.83 v1(62.7,39) 58.8,39 57.5,40.3 v1(56.6,40.3) 51.36,40.3 50.89,39.83 50.53,39.83 v1(49.7,39) 45.8,39 44.5,40.3 v1(43.6,40.3) 38.36,40.3 37.89,39.83 37.53,39.83 v1(36.7,39)
  In1.Cu w0.2: v1(33,39.1) 33.1,39 v1(36.7,39)
